# Altium PCB host_board.PcbDoc (part 8 of 8)
Units mm, origin at the board's own origin, x right, y up, seen from the top; angles counter-clockwise.
Board outline 87.41 x 55.77 mm, 4 copper layers (Top Layer, GND, Power, Bottom Layer), stack 1.59 mm thick; 232 components, 252 nets, 1101 pads, 689 vias.
Unrouted connection lines stored in the file: 17.
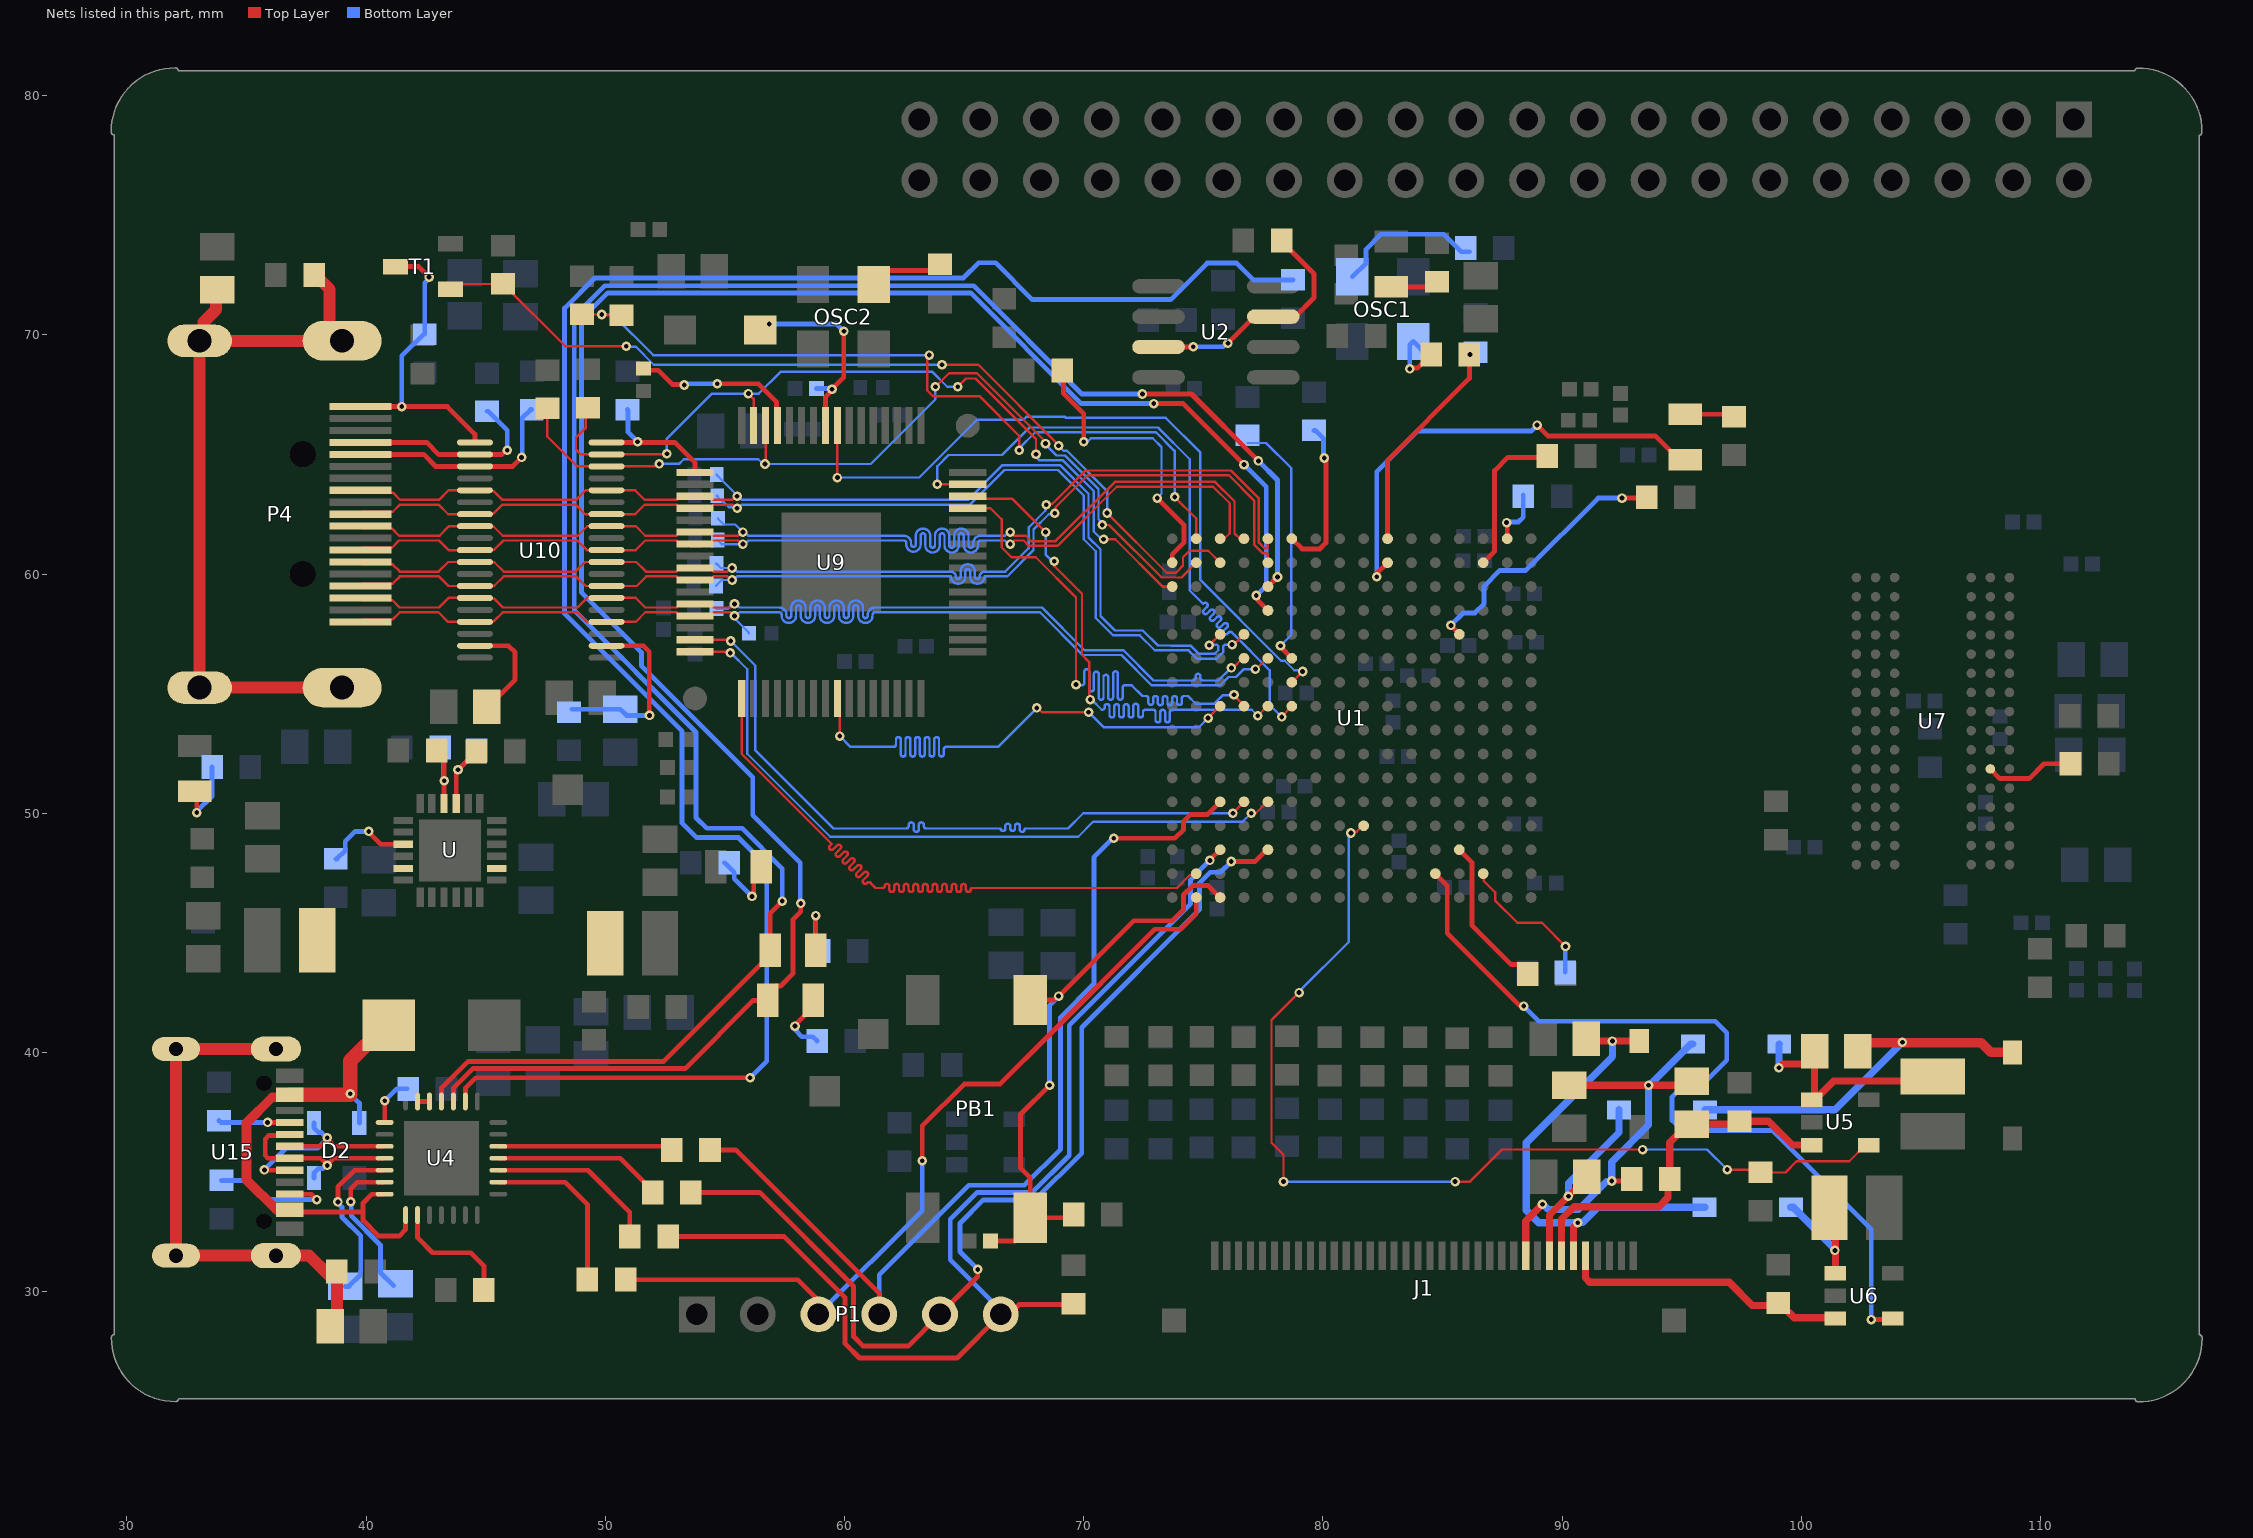
[diagram p10: the nets of this part, all layers, seen from the top]

## Via types
v1: diameter 0.4, hole 0.2, Top Layer to Bottom Layer, tented both sides, 664 vias
v2: diameter 0.5, hole 0.2, Top Layer to Bottom Layer, 9 vias
v3: diameter 0.4, hole 0.2, Top Layer to Bottom Layer, 7 vias
v4: diameter 0.4/0.4/0.4/0.4 (per signal layer), hole 0.2, Top Layer to Bottom Layer, tented both sides, 5 vias
v5: diameter 3, hole 3, Top Layer to Bottom Layer, tented both sides, 4 vias

## Nets (pads, with @x,y where several pads share a name; then routed paths per layer and width w, separated by ;. In a path a pad name is that pad's centre, name@x,y a point inside that pad or via, vN(x,y) a via of type N, cw(c..) or ccw(c..) an arc to the next point about the centre after c; other vN are vias at no path point) (continued)
HDMI_D21: U1.B15 U9.17 | length 32.2
  Top Layer w0.1: U9.17@55.7,54.8 55.7,52.475 59.45,48.725 59.461,48.714 59.379,48.632 ccw(c59.45,48.561) 59.379,48.49 ccw(c59.45,48.561) 59.52,48.49 59.603,48.572 59.685,48.655 cw(c59.756,48.584) 59.826,48.655 cw(c59.756,48.584) 59.826,48.513 59.744,48.431 59.662,48.349 ccw(c59.732,48.278) 59.662,48.207 ccw(c59.732,48.278) 59.803,48.207 59.885,48.29 59.968,48.372 cw(c60.038,48.301) 60.109,48.372 cw(c60.038,48.301) 60.109,48.23 60.027,48.148 59.945,48.066 ccw(c60.015,47.995) 59.945,47.924 ccw(c60.015,47.995) 60.086,47.924 60.168,48.007 60.251,48.089 cw(c60.321,48.018) 60.392,48.089 cw(c60.321,48.018) 60.392,47.948 60.31,47.865 60.227,47.783 ccw(c60.298,47.712) 60.227,47.642 ccw(c60.298,47.712) 60.369,47.642 60.451,47.724 60.533,47.806 cw(c60.604,47.735) 60.675,47.806 cw(c60.604,47.735) 60.675,47.665 60.593,47.582 60.51,47.5 ccw(c60.581,47.429) 60.51,47.359 ccw(c60.581,47.429) 60.652,47.359 60.734,47.441 60.816,47.523 cw(c60.887,47.453) 60.958,47.523 cw(c60.887,47.453) 60.958,47.382 60.875,47.3 60.793,47.217 ccw(c60.864,47.147) 60.793,47.076 ccw(c60.864,47.147) 60.934,47.076 60.946,47.088 cw(c61.017,47.017) 61.087,47.087 61.3,46.875 61.575,46.875 61.606,46.875 ccw(c61.606,46.944) 61.675,46.944 cw(c61.775,46.944) 61.775,47.044 cw(c61.775,46.944) 61.875,46.944 61.875,46.875 61.875,46.806 ccw(c61.975,46.806) 61.975,46.706 ccw(c61.975,46.806) 62.075,46.806 62.075,46.875 62.075,46.944 cw(c62.175,46.944) 62.175,47.044 cw(c62.175,46.944) 62.275,46.944 62.275,46.875 62.275,46.806 ccw(c62.375,46.806) 62.375,46.706 ccw(c62.375,46.806) 62.475,46.806 62.475,46.875 62.475,46.944 cw(c62.575,46.944) 62.575,47.044 cw(c62.575,46.944) 62.675,46.944 62.675,46.875 62.675,46.806 ccw(c62.775,46.806) 62.775,46.706 ccw(c62.775,46.806) 62.875,46.806 62.875,46.875 62.875,46.944 cw(c62.975,46.944) 62.975,47.044 cw(c62.975,46.944) 63.075,46.944 63.075,46.875 63.075,46.806 ccw(c63.175,46.806) 63.175,46.706 ccw(c63.175,46.806) 63.275,46.806 63.275,46.875 63.275,46.944 cw(c63.375,46.944) 63.375,47.044 cw(c63.375,46.944) 63.475,46.944 63.475,46.875 63.475,46.806 ccw(c63.575,46.806) 63.575,46.706 ccw(c63.575,46.806) 63.675,46.806 63.675,46.875 63.675,46.944 cw(c63.775,46.944) 63.775,47.044 cw(c63.775,46.944) 63.875,46.944 63.875,46.875 63.875,46.806 ccw(c63.975,46.806) 63.975,46.706 ccw(c63.975,46.806) 64.075,46.806 64.075,46.875 64.075,46.944 cw(c64.175,46.944) 64.175,47.044 cw(c64.175,46.944) 64.275,46.944 64.275,46.875 64.275,46.806 ccw(c64.375,46.806) 64.375,46.706 ccw(c64.375,46.806) 64.475,46.806 64.475,46.875 64.475,46.944 cw(c64.575,46.944) 64.575,47.044 cw(c64.575,46.944) 64.675,46.944 64.675,46.875 64.675,46.806 ccw(c64.775,46.806) 64.775,46.706 ccw(c64.775,46.806) 64.875,46.806 64.875,46.875 64.875,46.944 cw(c64.975,46.944) 64.975,47.044 cw(c64.975,46.944) 65.075,46.944 65.075,46.875 65.075,46.806 ccw(c65.175,46.806) 65.175,46.706 ccw(c65.175,46.806) 65.275,46.806 cw(c65.344,46.806) 65.344,46.875 65.475,46.875 65.49,46.875 73.899,46.875 74.434,47.41 74.635,47.41 U1.B15@74.7,47.475
HDMI_D22: U1.E12 U9.16 | length 29.8
  Top Layer w0.1: U9.16@53.75,56.75 55.174,56.75 v1(55.224,56.7) ; v1(77,50) 77.19,50 77.665,50.475 U1.E12@77.7,50.475
  Bottom Layer w0.1: v1(55.224,56.7) 55.25,56.7 55.934,56.016 55.934,52.484 59.399,49.018 69.768,49.018 70.4,49.65 76.65,49.65 v1(77,50)
HDMI_D23: U1.E13 U9.15 | length 30.7
  Top Layer w0.1: U9.15@53.75,57.25 55.191,57.25 v1(55.241,57.2) ; v1@76.236,50.011 U1.E13@76.7,50.475
  Bottom Layer w0.1: v1(55.241,57.2) 56.275,56.166 56.275,52.625 59.541,49.359 62.525,49.359 62.575,49.359 ccw(c62.575,49.465) 62.681,49.465 62.681,49.509 cw(c62.787,49.509) 62.787,49.615 cw(c62.787,49.509) 62.893,49.509 62.893,49.324 ccw(c62.999,49.324) 62.999,49.218 ccw(c62.999,49.324) 63.105,49.324 63.105,49.509 cw(c63.211,49.509) 63.211,49.615 cw(c63.211,49.509) 63.317,49.509 63.317,49.465 ccw(c63.423,49.465) 63.423,49.359 63.663,49.359 66.525,49.359 ccw(c66.625,49.359) 66.625,49.259 ccw(c66.625,49.359) 66.725,49.359 66.725,49.462 cw(c66.825,49.462) 66.825,49.562 cw(c66.825,49.462) 66.925,49.462 66.925,49.359 ccw(c67.025,49.359) 67.025,49.259 ccw(c67.025,49.359) 67.125,49.359 67.125,49.462 cw(c67.225,49.462) 67.225,49.562 cw(c67.225,49.462) 67.325,49.462 67.325,49.359 67.325,49.318 ccw(c67.425,49.318) 67.425,49.218 ccw(c67.425,49.318) 67.525,49.318 cw(c67.566,49.318) 67.566,49.359 67.625,49.359 69.338,49.359 69.979,50 v1(76.236,50)
HDMI_DE: U1.J13 U9.45 | length 28.5
  Top Layer w0.1: U9.45@65.15,62.75 66.1,62.75 66.564,62.286 66.564,61.116 66.981,60.7 67.993,60.7 69.675,59.018 v1(69.675,55.375) ; v1(76.281,54.95) 76.281,54.922 76.7,54.503 U1.J13@76.7,54.475
  Bottom Layer w0.1: v1(69.675,55.375) 69.675,55.3 69.725,55.35 69.925,55.35 ccw(c69.925,55.45) 70.025,55.45 70.025,55.925 cw(c70.125,55.925) 70.125,56.025 cw(c70.125,55.925) 70.225,55.925 70.225,55.35 70.225,55.197 ccw(c70.325,55.197) 70.325,55.097 ccw(c70.325,55.197) 70.425,55.197 70.425,55.35 70.425,55.817 cw(c70.525,55.817) 70.525,55.917 cw(c70.525,55.817) 70.625,55.817 70.625,55.35 70.625,54.843 ccw(c70.725,54.843) 70.725,54.743 ccw(c70.725,54.843) 70.825,54.843 70.825,55.35 70.825,55.684 cw(c70.925,55.684) 70.925,55.784 cw(c70.925,55.684) 71.025,55.684 71.025,55.35 71.025,54.843 ccw(c71.125,54.843) 71.125,54.743 ccw(c71.125,54.843) 71.225,54.843 71.225,55.35 71.225,55.828 cw(c71.325,55.828) 71.325,55.928 cw(c71.325,55.828) 71.425,55.828 71.425,55.35 71.425,54.843 ccw(c71.525,54.843) 71.525,54.743 ccw(c71.525,54.843) 71.625,54.843 71.625,55.25 cw(c71.725,55.25) 71.725,55.35 71.825,55.35 71.85,55.35 72,55.35 72.45,54.9 72.5,54.9 72.6,54.9 cw(c72.6,54.8) 72.7,54.8 72.7,54.625 ccw(c72.8,54.625) 72.8,54.525 ccw(c72.8,54.625) 72.9,54.625 72.9,54.8 cw(c73,54.8) 73,54.9 cw(c73,54.8) 73.1,54.8 73.1,54.613 ccw(c73.2,54.613) 73.2,54.513 ccw(c73.2,54.613) 73.3,54.613 73.3,54.8 cw(c73.4,54.8) 73.4,54.9 cw(c73.4,54.8) 73.5,54.8 73.5,54.613 ccw(c73.6,54.613) 73.6,54.513 ccw(c73.6,54.613) 73.7,54.613 73.7,54.8 cw(c73.8,54.8) 73.8,54.9 cw(c73.8,54.8) 73.9,54.8 73.9,54.625 ccw(c74,54.625) 74,54.525 ccw(c74,54.625) 74.1,54.625 74.1,54.8 cw(c74.2,54.8) 74.2,54.9 74.358,54.9 74.683,54.575 75.45,54.575 75.8,54.925 76.256,54.925 v1(76.281,54.95)
HDMI_HPD: P4.19 R59.2 T1.3 U10.20 | length 13.1
  Top Layer w0.2: P4.19@39.76,67 43.4,67 44.55,65.85 U10.20@44.55,65.5 ; T1.3@41.225,72.85 42.2,72.85 v1(42.634,72.416)
  Bottom Layer w0.2: v1(41.49,67) 41.49,69.115 42.4,70.025 R59.2@42.45,70.025 42.45,72.177 42.634,72.362 v1(42.634,72.416)
HDMI_HPD_LV: R53.1 U9.1 U10.19 | length 6
  Top Layer w0.2: U10.19@50.05,65.5 51.35,65.5 52.9,65.5 53.75,64.65 U9.1@53.75,64.25
  Bottom Layer w0.2: R53.1@50.925,66.875 50.95,66.85 50.95,65.925 v1(51.35,65.525)
HDMI_HS: U1.J12 U9.46 | length 25.1
  Top Layer w0.1: U9.46@65.15,63.25 65.25,63.15 67.006,63.15 v1(68.403,61.753) ; v1(68.77,60.53) 68.77,60.33 69.925,59.175 69.925,56.625 70.225,56.325 70.225,54.8 v1(70.275,54.75) ; v1(77.275,54.075) 77.675,54.475 U1.J12@77.7,54.475
  Bottom Layer w0.1: v1(68.403,61.753) 68.403,60.822 68.7,60.525 v1@68.77,60.525 ; v1(70.275,54.75) 70.325,54.75 70.75,54.325 70.775,54.325 ccw(c70.775,54.425) 70.875,54.425 70.875,54.463 cw(c70.975,54.463) 70.975,54.563 cw(c70.975,54.463) 71.075,54.463 71.075,54.325 71.075,54.1 ccw(c71.175,54.1) 71.175,54 ccw(c71.175,54.1) 71.275,54.1 71.275,54.325 71.275,54.463 cw(c71.375,54.463) 71.375,54.563 cw(c71.375,54.463) 71.475,54.463 71.475,54.325 71.475,54.1 ccw(c71.575,54.1) 71.575,54 ccw(c71.575,54.1) 71.675,54.1 71.675,54.325 71.675,54.463 cw(c71.775,54.463) 71.775,54.563 cw(c71.775,54.463) 71.875,54.463 71.875,54.325 71.875,54.1 ccw(c71.975,54.1) 71.975,54 ccw(c71.975,54.1) 72.075,54.1 72.075,54.325 72.075,54.475 cw(c72.175,54.475) 72.175,54.575 cw(c72.175,54.475) 72.275,54.475 72.275,54.325 72.275,54.1 ccw(c72.375,54.1) 72.375,54 ccw(c72.375,54.1) 72.475,54.1 72.475,54.225 cw(c72.575,54.225) 72.575,54.325 72.7,54.325 72.8,54.325 72.9,54.325 cw(c72.9,54.225) 73,54.225 73,53.9 ccw(c73.1,53.9) 73.1,53.8 ccw(c73.1,53.9) 73.2,53.9 73.2,54.225 cw(c73.3,54.225) 73.3,54.325 cw(c73.3,54.225) 73.4,54.225 73.4,53.9 ccw(c73.5,53.9) 73.5,53.8 ccw(c73.5,53.9) 73.6,53.9 73.6,54.225 cw(c73.7,54.225) 73.7,54.325 73.8,54.325 74,54.325 74.025,54.325 77.025,54.325 v1(77.275,54.075)
HDMI_LCC: U1.J14 U9.25 | length 26.3
  Top Layer w0.1: U9.25@59.7,54.8 59.8,54.7 v1(59.8,53.225) ; v1(68.04,54.4) 68.075,54.4 68.263,54.213 70.187,54.213 v1(70.2,54.225) ; v1(75.2,53.975) U1.J14@75.7,54.475 75.7,54.5 U1.J14@75.675,54.5
  Bottom Layer w0.1: v1(59.8,53.225) 60.25,52.775 62,52.775 62.05,52.775 ccw(c62.05,52.875) 62.15,52.875 62.15,53.082 cw(c62.25,53.082) 62.25,53.182 cw(c62.25,53.082) 62.35,53.082 62.35,52.775 62.35,52.468 ccw(c62.45,52.468) 62.45,52.368 ccw(c62.45,52.468) 62.55,52.468 62.55,52.775 62.55,53.082 cw(c62.65,53.082) 62.65,53.182 cw(c62.65,53.082) 62.75,53.082 62.75,52.775 62.75,52.468 ccw(c62.85,52.468) 62.85,52.368 ccw(c62.85,52.468) 62.95,52.468 62.95,52.775 62.95,53.082 cw(c63.05,53.082) 63.05,53.182 cw(c63.05,53.082) 63.15,53.082 63.15,52.775 63.15,52.468 ccw(c63.25,52.468) 63.25,52.368 ccw(c63.25,52.468) 63.35,52.468 63.35,52.775 63.35,53.082 cw(c63.45,53.082) 63.45,53.182 cw(c63.45,53.082) 63.55,53.082 63.55,52.775 63.55,52.468 ccw(c63.65,52.468) 63.65,52.368 ccw(c63.65,52.468) 63.75,52.468 63.75,52.775 63.75,53.082 cw(c63.85,53.082) 63.85,53.182 cw(c63.85,53.082) 63.95,53.082 63.95,52.775 63.95,52.468 ccw(c64.05,52.468) 64.05,52.368 ccw(c64.05,52.468) 64.15,52.468 64.15,52.675 cw(c64.25,52.675) 64.25,52.775 66.415,52.775 v1(68.04,54.4) ; v1(70.2,54.225) 70.825,53.6 74.825,53.6 v1(75.2,53.975)
HDMI_RST_N: U1.K11 U9.56 | length 30.9
  Top Layer w0.1: v1(59.7,64.032) 59.7,66.05 59.625,66.125 U9.56@59.7,66.2 ; U1.K11@78.7,55.475 v1(79.15,55.925)
  Bottom Layer w0.1: v1(59.7,64.032) 63.124,64.032 65.548,66.455 67.48,66.455 67.6,66.575 69.202,66.575 69.252,66.525 73.425,66.525 74.875,65.075 74.875,59.75 78.25,56.375 78.4,56.375 78.8,55.975 79.1,55.975 v1(79.15,55.925)
HDMI_SCL: P4.15 R54.1 U10.22 | length 9.3
  Top Layer w0.2: P4.15@39.76,65 42.4,65 42.9,64.5 U10.22@44.55,64.5 46.125,64.5 v1(46.5,64.875)
  Bottom Layer w0.2: v1(46.5,64.875) 46.525,64.9 46.525,66.525 46.875,66.875 R54.1@46.925,66.875
HDMI_SCL_LV: R51.1 U1.R15 U9.62 U10.17 | length 37
  Top Layer w0.1: R51.1@47.575,66.925 47.575,65.75 48.825,64.5 U10.17@50.05,64.5 52.068,64.5 52.171,64.603 v1(52.253,64.603) ; v1@56.7,64.725 U9.62@56.7,66.2 ; v1(63.8,67.825) 64.375,68.4 65.529,68.4 68.4,65.529 v1(68.4,65.45) ; v1(70.775,62.05) 71.062,62.05 73.257,59.855 74.08,59.855 U1.R15@74.7,60.475
  Bottom Layer w0.1: v1(52.253,64.603) v1(52.253,64.603) 53.083,64.603 53.28,64.8 56.394,64.8 56.594,64.6 v1(56.675,64.6) 61.095,64.6 63.8,67.305 v1(63.8,67.825) ; v1(68.4,65.45) 68.4,65.414 68.861,64.952 69.214,64.952 70.617,63.549 70.617,62.289 70.775,62.131 v1(70.775,62.05)
HDMI_SDA: P4.16 R56.1 U10.21 | length 8.4
  Top Layer w0.2: P4.16@39.76,65.5 42.525,65.5 43.035,64.99 45.661,64.99 45.846,65.175 v1(45.9,65.175)
  Bottom Layer w0.2: R56.1@45.05,66.8 45.1,66.8 45.9,66 v1(45.9,65.175)
HDMI_SDA_LV: R50.1 U1.P16 U9.63 U10.18 | length 35.7
  Top Layer w0.1: R50.1@49.425,66.975 49.175,66.725 49.175,66.1 48.775,65.7 48.775,65.2 48.975,65 U10.18@50.05,65 50.063,65.013 52.563,65.013 v1(52.575,65.025) ; v1(55.981,67.54) 56.2,67.321 U9.63@56.2,66.2 ; v1(64.728,67.828) 65.075,68.175 65.471,68.175 68.004,65.642 v1@68.004,65 ; v1@68.003,65.001 v1(68.003,65.003) ; v1(70.828,61.453) 71.317,61.453 73.295,59.475 U1.P16@73.7,59.475
  Bottom Layer w0.1: v1(52.575,65.025) 52.575,65.662 54.453,67.54 v1(55.981,67.54) 56.415,67.54 57.325,68.45 63.67,68.45 64.292,67.828 v1(64.728,67.828) ; v1@67.925,64.975 68.148,64.752 69.131,64.752 70.417,63.466 70.417,61.783 70.747,61.453 v1(70.828,61.453)
HDMI_VS: U1.J11 U9.47 | length 29.1
  Top Layer w0.1: v1(63.875,63.75) U9.47@65.15,63.75 ; v1(78.275,54.025) 78.275,54.05 U1.J11@78.7,54.475
  Bottom Layer w0.1: v1(63.875,63.75) 63.875,64.5 64.35,64.975 66.586,64.975 67.736,66.125 73.104,66.125 74.433,64.796 74.433,59.312 74.922,58.822 74.978,58.767 ccw(c74.993,58.783) 75.009,58.767 cw(c75.079,58.696) 75.15,58.767 cw(c75.079,58.696) 75.15,58.626 75.135,58.61 75.018,58.494 ccw(c75.089,58.423) 75.018,58.353 ccw(c75.089,58.423) 75.16,58.353 75.276,58.469 75.291,58.484 cw(c75.362,58.414) 75.433,58.484 cw(c75.362,58.414) 75.433,58.343 75.417,58.328 75.301,58.211 ccw(c75.372,58.14) 75.301,58.07 ccw(c75.372,58.14) 75.442,58.07 75.559,58.186 75.574,58.202 cw(c75.645,58.131) 75.716,58.202 cw(c75.645,58.131) 75.716,58.06 75.7,58.045 75.584,57.928 ccw(c75.655,57.858) 75.584,57.787 ccw(c75.655,57.858) 75.725,57.787 75.842,57.903 75.857,57.919 cw(c75.928,57.848) 75.999,57.919 cw(c75.928,57.848) 75.999,57.777 75.983,57.762 75.867,57.645 ccw(c75.937,57.575) 75.867,57.504 ccw(c75.937,57.575) 76.008,57.504 76.054,57.55 cw(c76.125,57.479) 76.195,57.55 76.266,57.479 76.275,57.47 77.775,55.97 77.775,54.525 v1(78.275,54.025)
HDP_EN: R70.2 T1.1 U1.R14 | length 38.6
  Top Layer w0.1: T1.1@43.525,71.9 43.75,72.125 R70.2@45.725,72.125 48.325,69.525 v1(50.875,69.525) ; v1(64.075,68.75) 65.595,68.75 68.95,65.395 v1(68.95,65.358) ; v1(70.975,62.55) 73.47,60.055 73.855,60.055 74.15,60.349 74.15,60.7 74.42,60.97 75.205,60.97 U1.R14@75.7,60.475
  Bottom Layer w0.1: v1(50.875,69.525) 50.9,69.5 51.275,69.5 52.025,68.75 v1(64.075,68.75) ; v1(68.95,65.358) 69.156,65.152 69.297,65.152 70.975,63.474 v1(70.975,62.55)
HPD_NOTIF: R61.1 R62.2 U1.T15 | length 34
  Top Layer w0.1: R61.1@49.025,70.85 49.026,70.849 v1(49.851,70.849) ; v1@49.851,70.825 R62.2@50.675,70.825 ; v1(63.541,69.15) 63.45,69.059 63.45,67.68 63.707,67.424 65.657,67.424 67.3,65.78 v1(67.3,65.175) ; v1(73.8,63.225) 74.7,62.325 U1.T15@74.7,61.475
  Bottom Layer w0.1: v1(49.851,70.849) 49.852,70.85 50.3,70.85 52,69.15 v1(63.541,69.15) ; v1@67.275,65.225 67.975,65.925 73.021,65.925 73.8,65.146 v1(73.8,63.225)
LCD_BL_A: C29.2 D6.1 D7.1 J1.31 | length 20.2
  Top Layer w0.3: J1.31@90.475,31.5 90.475,32.706 v1(90.65,32.881) ; C29.2@91,40.575 91.1,40.475 D7.1@93.225,40.475
  Bottom Layer w0.3: v1(92.1,40.475) 92.1,39.823 88.5,36.223 88.5,33.4 89.019,32.881 v1(90.65,32.881) 90.669,32.9 90.87,32.9 91.495,33.525 D6.1@95.958,33.525
LCD_BL_FB: J1.32 R27.2 U6.3 | length 12.1
  Top Layer w0.3: J1.32@90.975,31.5 90.975,30.568 91.151,30.392 96.983,30.392 97.949,29.426 99.183,29.426 99.698,28.91 101.39,28.91 U6.3@101.425,28.875
LCD_BOOST_FB: C36.1 J1.30 R14.1 R28.2 U5.3 | length 15.4
  Top Layer w0.3: J1.30@89.975,31.5 89.975,33.034 90.491,33.55 94.042,33.55 94.418,33.926 94.418,34.618 R14.1@94.5,34.7 94.5,36.231 94.844,36.575 95.269,37 97.289,37 R28.2@97.414,37.125 98.625,37.125 99.625,36.125 U5.3@100.425,36.125
LCD_MVDRV: C32.2 D3.2 J1.29 | length 8.5
  Top Layer w0.3: J1.29@89.475,31.5 89.475,33.2 90.5,34.225 90.6,34.225 91.025,34.65 C32.2@91.025,34.8
  Bottom Layer w0.3: v1(90.26,33.99) 90.26,34.535 92.375,36.65 D3.2@92.375,37.6
LCD_PVDRV: C35.2 C36.2 D5.1 J1.27 R14.2 | length 19.2
  Top Layer w0.2: v1(92.075,34.625) 92.825,34.625 R14.2@92.9,34.7
  Top Layer w0.3: J1.27@88.475,31.5 88.475,32.95 v1(89.175,33.65) ; C35.2@90.3,38.625 95.244,38.625 C36.2@95.419,38.8
  Bottom Layer w0.3: v1(89.175,33.65) 89.202,33.65 89.422,33.43 90.678,33.43 91.854,34.606 92.056,34.606 v1(92.075,34.625) 92.075,35.423 93.613,36.96 v1(93.613,38.625) 93.65,38.625 95.375,40.35 D5.1@95.475,40.35
LCD_PWREN: R29.2 U1.D8 U5.4 | length 42.7
  Top Layer w0.1: v1(78.35,34.6) 78.35,35.725 77.85,36.225 77.85,41.35 v1(79,42.5) ; v1(81.169,49.172) 81.227,49.23 81.415,49.23 81.66,49.475 U1.D8@81.7,49.475 ; v1(85.525,34.6) 86.145,34.6 87.485,35.94 v1(93.361,35.94) ; v1(96.9,35.1) 98.307,35.1 98.425,34.982 99.332,34.982 99.8,35.45 102,35.45 102.675,36.125 U5.4@102.825,36.125
  Bottom Layer w0.1: v1(78.35,34.6) v1(85.525,34.6) ; v1(79,42.5) 79,42.542 81.075,44.617 81.075,48.997 81.169,49.091 v1(81.169,49.172) ; v1(93.361,35.94) 96.06,35.94 v1(96.9,35.1)
LDO1_FB: R18.2 R19.1 U.21 | length 3.7
  Top Layer w0.2: U.21@43.764,50.406 43.764,51.729 44.21,52.175 44.26,52.175 44.61,52.525 R18.2@44.61,52.575
  Bottom Layer w0.2: v1@43.85,51.82 43.854,51.82 44.615,52.581 R19.1@44.615,52.631
  other v1: 43.84,51.82
LDO2_FB: R20.2 R21.1 U.22 | length 3.8
  Top Layer w0.2: R20.2@42.86,52.615 43.256,52.219 U.22@43.256,50.406
  Bottom Layer w0.2: R21.1@42.897,52.66 43.24,52.317 v1@43.24,51.38
  other v1: 43.27,51.36
NetC14_2: C14.2 U4.5 | length 7.2
  Top Layer w0.2: v1(38.82,33.75) 38.82,34.38 39.515,35.075 U4.5@40.775,35.075
  Bottom Layer w0.2: v1(38.82,33.75) 38.82,33.703 38.99,33.533 38.99,33.12 39.775,32.335 39.775,30.865 39.755,30.845 39.755,30.695 39.28,30.22 C14.2@39.13,30.22
NetC15_2: C15.2 U4.6 | length 6.3
  Top Layer w0.2: v1@39.36,33.75 v1(39.36,33.76) 39.36,34.31 39.625,34.575 U4.6@40.775,34.575
  Bottom Layer w0.2: v1@39.375,33.76 39.375,33.175 40.6,31.95 40.6,30.8 C15.2@41.15,30.25
NetC16_1: C16.1 P4.S1 P4.S2 P4.S3 P4.S4 R17.1 | length 32.3
  Top Layer w0.2: P4.S3@33.04,69.75 P4.S3@33.2,69.91 ; P4.S2@38.475,70.275 P4.S2@39,69.75
  Top Layer w0.5: P4.S3@33.2,69.91 33.2,70.525 33.725,71.05 C16.1@33.725,71.925 ; R17.1@37.7,72.675 38.475,71.9 P4.S2@38.475,70.275 ; P4.S1@39,55.25 P4.S4@33.04,55.25 P4.S3@33.04,69.75 P4.S2@39,69.75
NetC33_1: C33.1 D5.2 L3.2 U5.1 | length 10.1
  Top Layer w0.3: v1@99.055,39.37 99.205,39.52 100.13,39.52 100.555,39.945 C33.1@100.555,40.05 ; U5.1@100.425,38.025 100.555,38.155 C33.1@100.555,39.9 ; U5.1@100.575,38.025 101.35,38.8 105.305,38.8 L3.2@105.5,38.995
  Bottom Layer w0.3: v1(99.06,39.36) 99.06,40.335 D5.2@99.075,40.35
NetC33_2: C33.2 D3.1 D4.2 | length 16.2
  Top Layer w0.4: C33.2@102.355,40.05 102.705,40.4 107.525,40.4 107.925,40 D4.2@108.825,40
  Bottom Layer w0.3: D3.1@95.975,37.6 101.4,37.6 v1(104.225,40.425)
NetC37_1: C37.1 R83.1 U15.G1 U15.G2 U15.G3 U15.G4 | length 22.3
  Top Layer w0.2: C37.1@38.505,28.551 C37.1@38.775,28.821 ; R83.1@38.775,30.7 R83.1@38.775,30.85
  Top Layer w0.5: U15.G3@36.23,40.145 U15.G1@32.05,40.145 U15.G2@32.05,31.505 U15.G4@36.23,31.505 37.62,31.505 38.425,30.7 R83.1@38.775,30.7 ; C37.1@38.775,28.821 R83.1@38.775,30.7 ; R83.1@38.825,30.7 R83.1@38.775,30.7